# Altium PCB Main_PCB.PcbDoc (part 1 of 13) (continued)
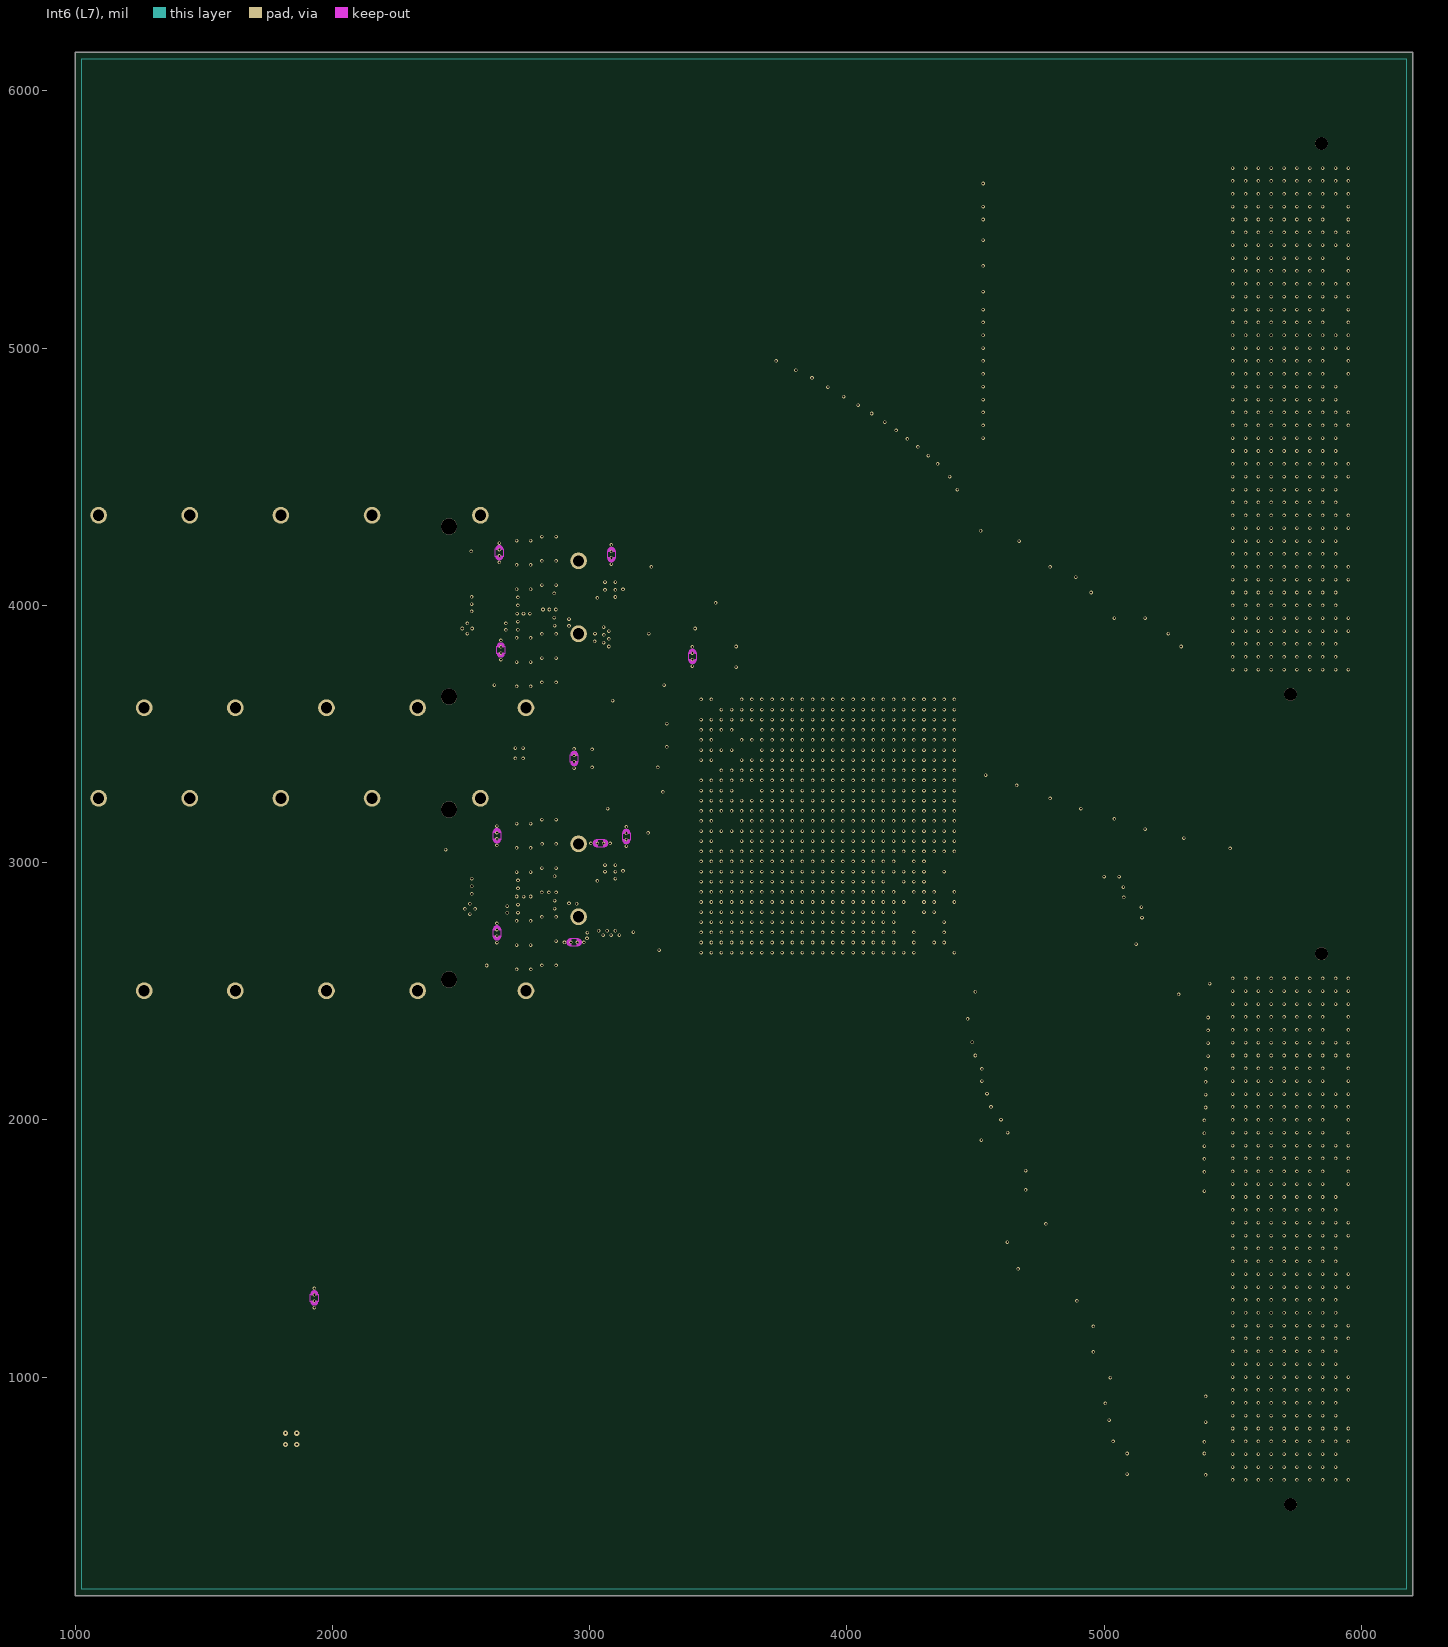
[diagram p7: Int6 (L7)]
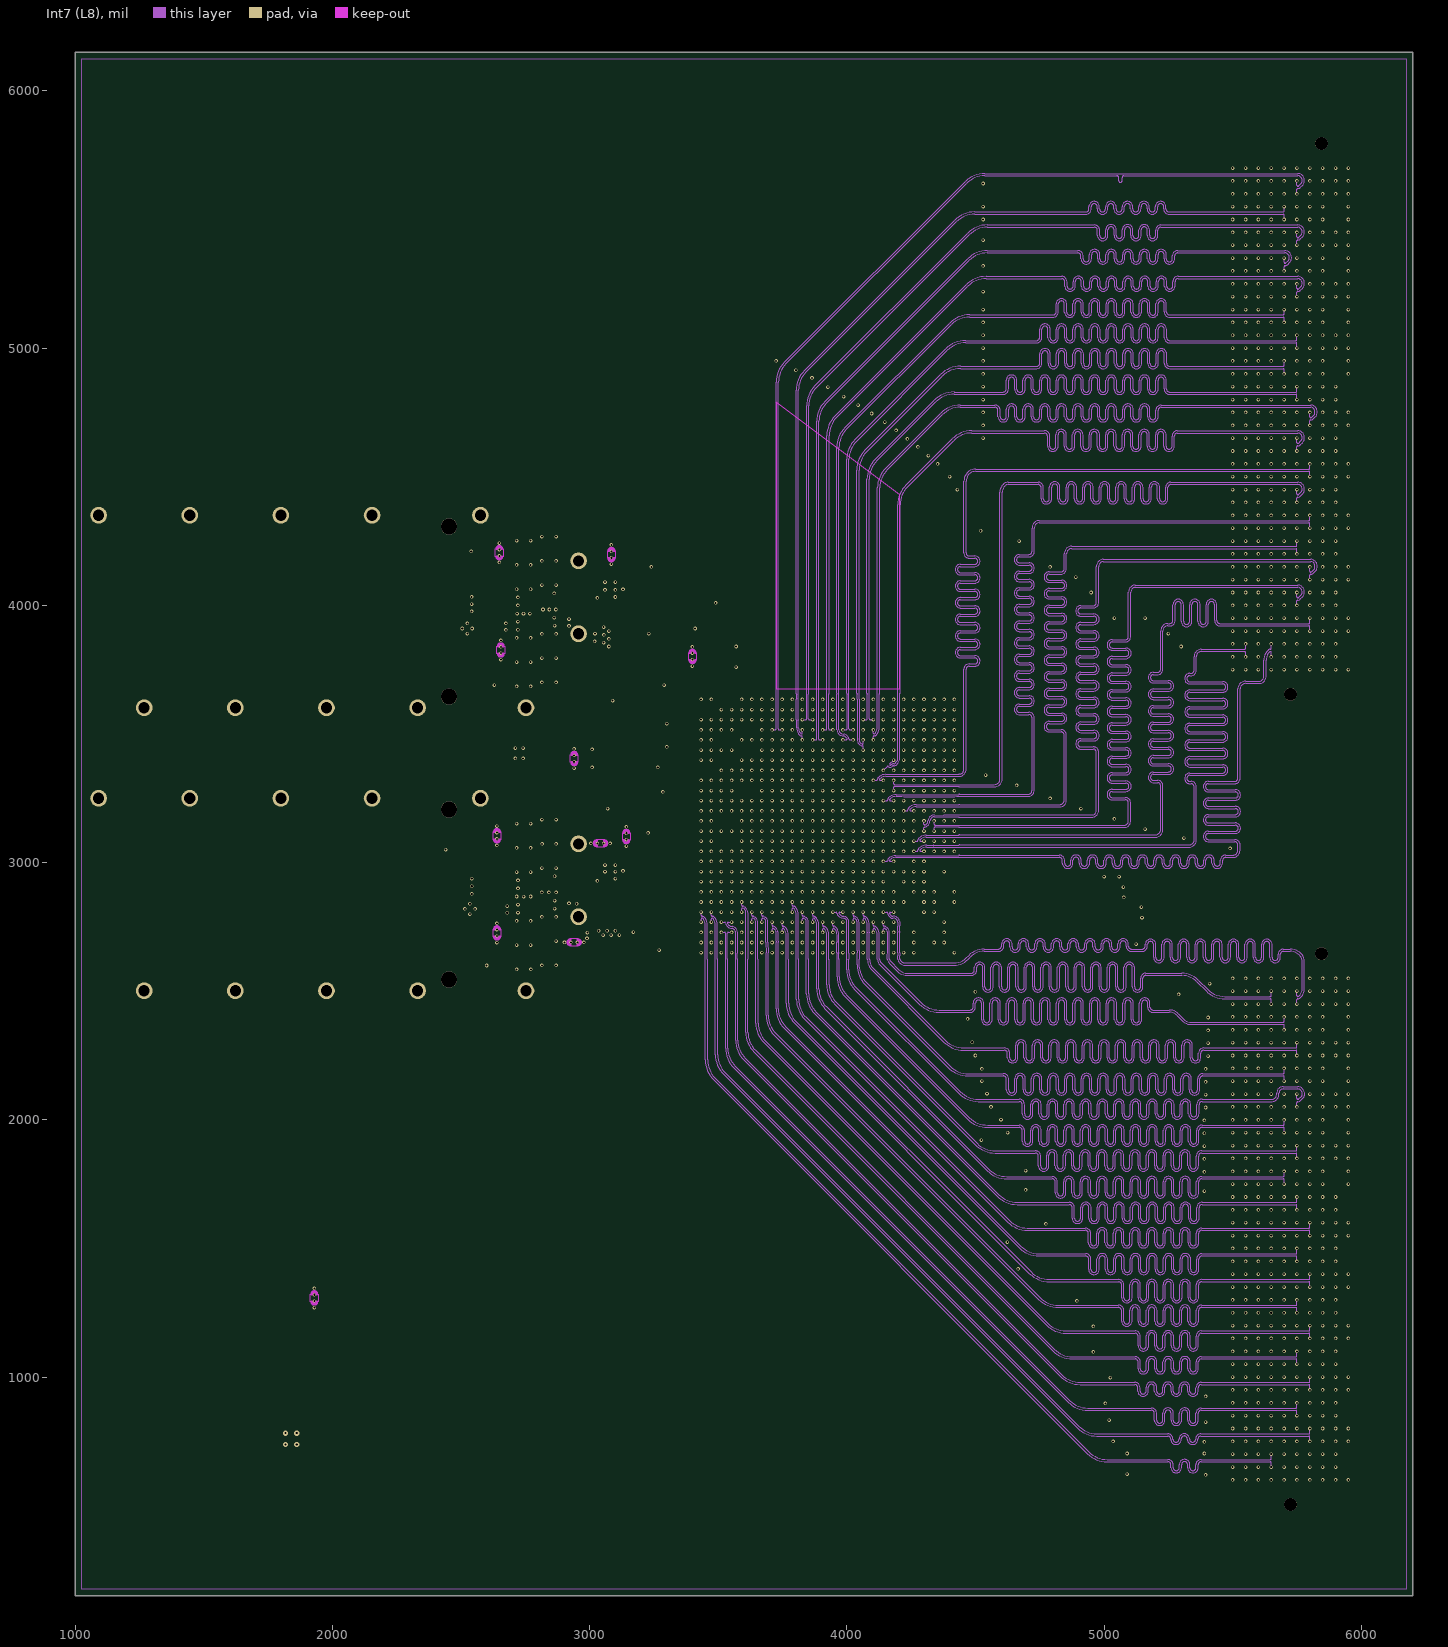
[diagram p8: Int7 (L8)]
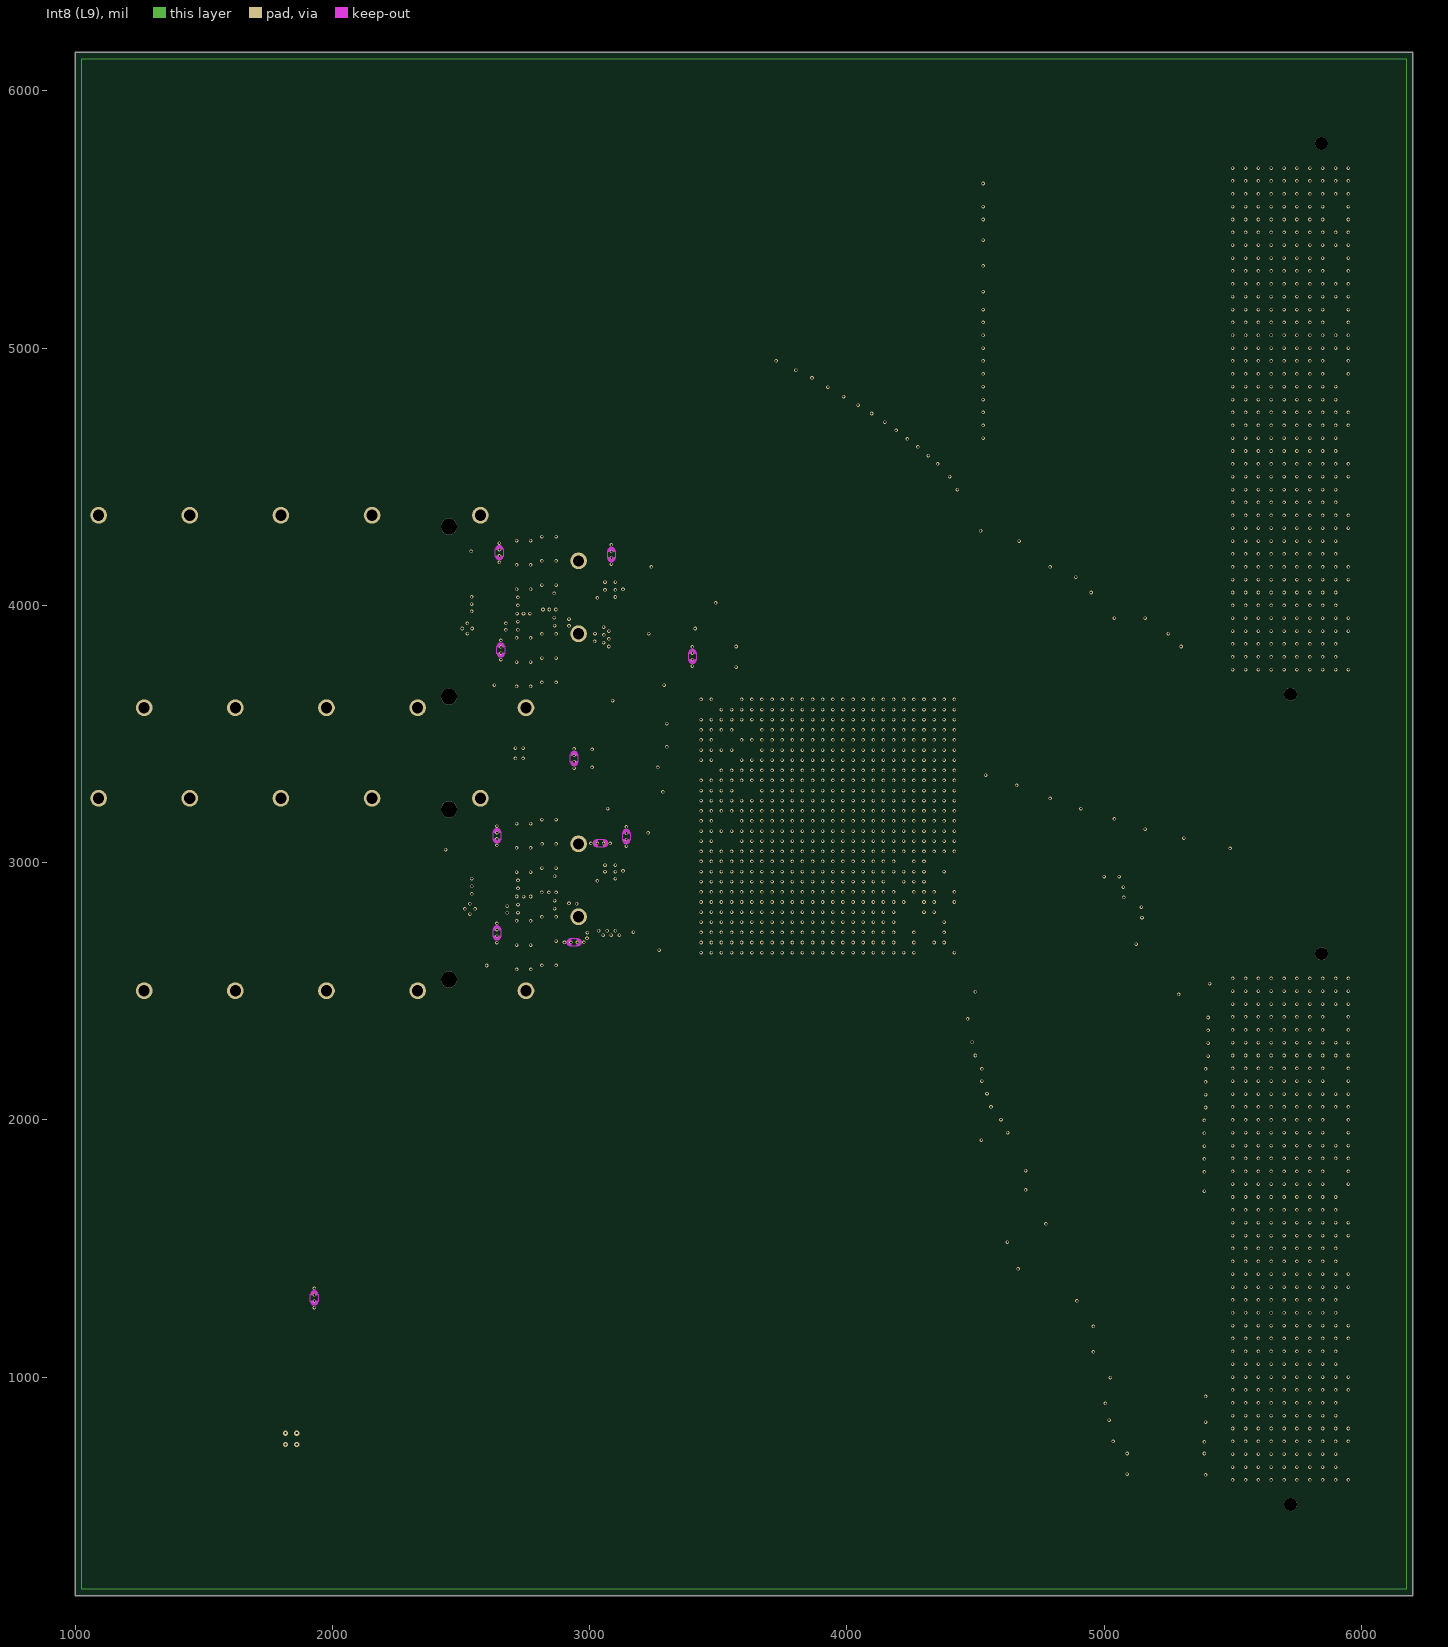
[diagram p9: Int8 (L9)]
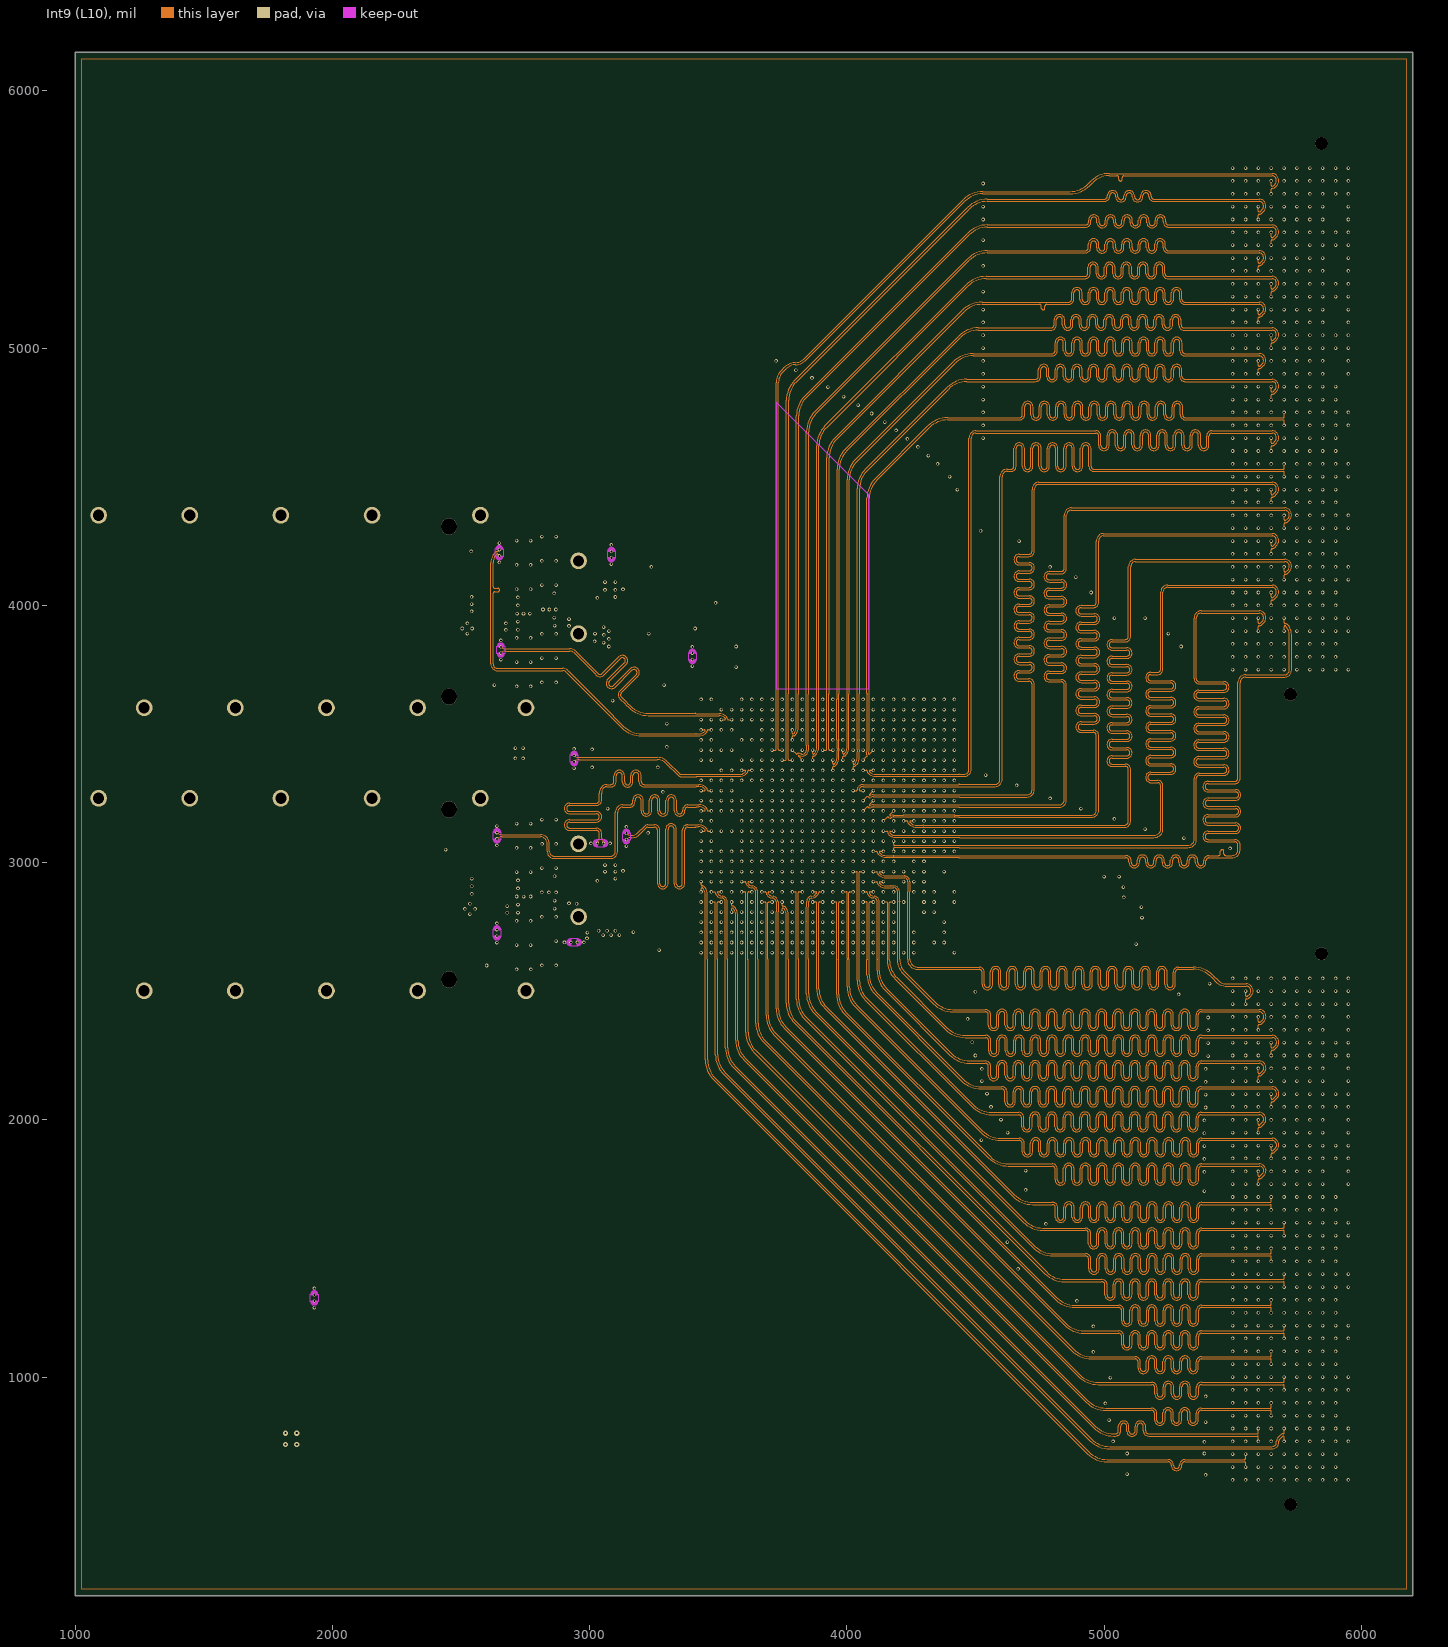
[diagram p10: Int9 (L10)]
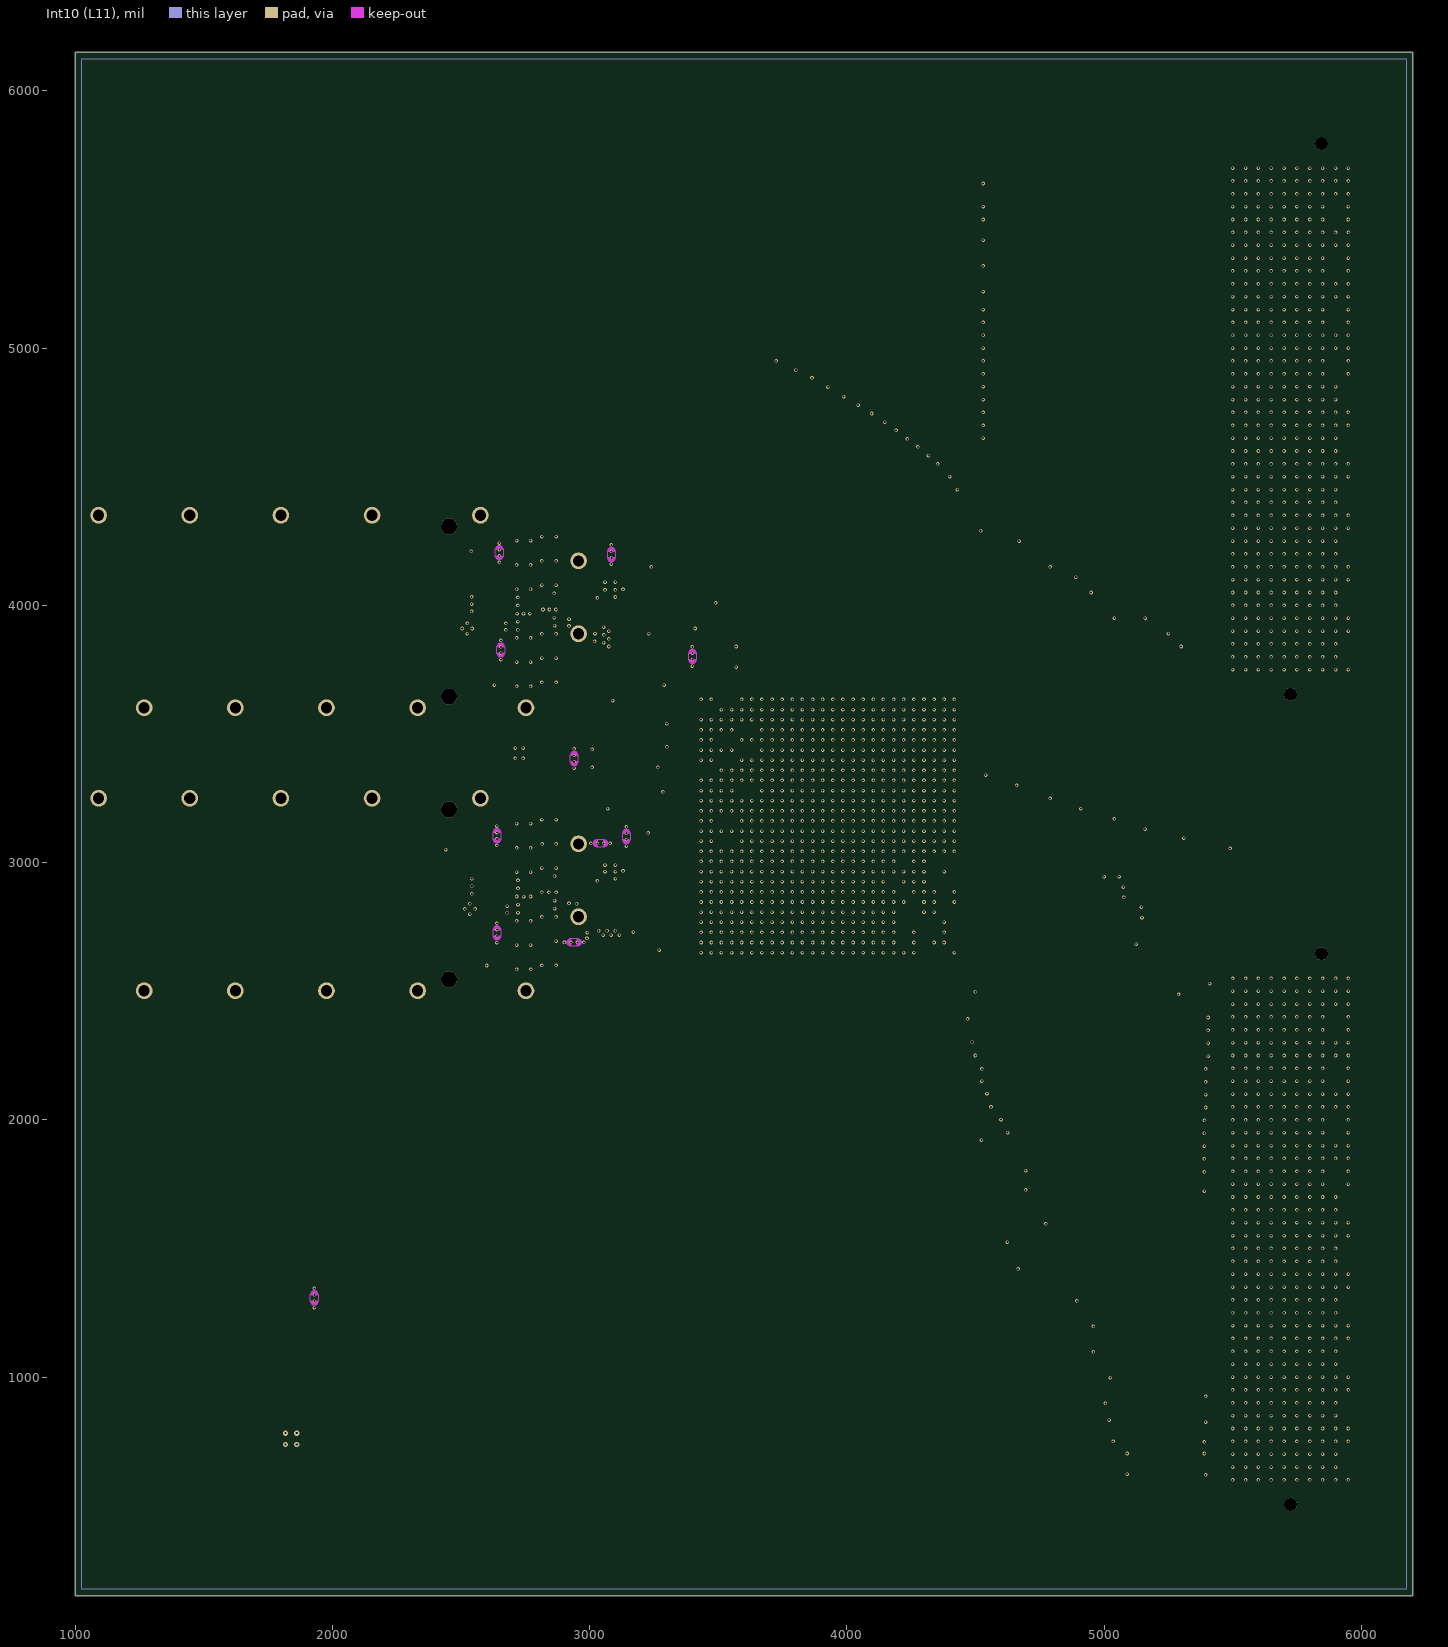
[diagram p11: Int10 (L11)]

## Layer stack, top to bottom
Top Solder: solder mask 0.492, SM-001, Dk 3.8
Top (L1): signal copper 1.38
Prepreg 1: prepreg 4.7, 2116 RC57%, Dk 4.25
Int1 (l2): signal copper 0.6
Core 1: core 11.81, 0.30mm H/HOZ, Dk 4.56
Int2 (L3): signal copper 0.6
Prepreg 2: prepreg 4.4, 2116 RC57%, Dk 4.25
Int3 (L4): signal copper 0.6
Core 2: core 11.81, 0.30mm H/HOZ, Dk 4.56
Int4 (L5): signal copper 0.6
Prepreg 3: prepreg 4.4, 2116 RC57%, Dk 4.25
Int5 (L6): signal copper 0.6
Core 3: core 11.81, 0.30mm H/HOZ, Dk 4.56
Int6 (L7): signal copper 0.6
Prepreg 4: prepreg 4.4, 2116 RC57%, Dk 4.25
Int7 (L8): signal copper 0.6
Core 4: core 11.81, 0.30mm H/HOZ, Dk 4.56
Int8 (L9): signal copper 0.6
Prepreg 5: prepreg 4.4, 2116 RC57%, Dk 4.25
Int9 (L10): signal copper 0.6
Core 5: core 11.81, 0.30mm H/HOZ, Dk 4.56
Int10 (L11): signal copper 0.6
Prepreg 6: prepreg 4.7, 2116 RC57%, Dk 4.25
Bot (L12): signal copper 1.38
Board Layer Stack Bottom Solder: solder mask 0.492, SM-001, Dk 3.8

## Board outline
1000,150 6200,150 6200,6150 1000,6150

## Design rules (kind name [scope] priority, off if disabled: settings)
Clearance Keepout_clearance [IsKeepOut] p1: gap=0 ignorepadtopadclearanceinfootprint=FALSE
Clearance Clearance_1 [(ExistsOnLayer('Int1 (l2)') Or ExistsOnLayer('Int2 (L3)') Or ExistsOnLayer('Int3 (L4)') Or ExistsOnLayer('Int4 (L5)') Or ExistsOnLayer('Int5 (L6)') Or ExistsOnLayer('Int6 (L7)') Or ExistsOnLayer('Int7 (L8)') Or ExistsOnLayer('Int8 (L9)') Or ExistsOnLayer('Int9 (L10)') Or ExistsOnLayer('Int10 (L11)')) vs (ExistsOnLayer('Int1 (l2)') Or ExistsOnLayer('Int2 (L3)') Or ExistsOnLayer('Int3 (L4)') Or ExistsOnLayer('Int4 (L5)') Or ExistsOnLayer('Int5 (L6)') Or ExistsOnLayer('Int6 (L7)') Or ExistsOnLayer('Int7 (L8)') Or ExistsOnLayer('Int8 (L9)') Or ExistsOnLayer('Int9 (L10)') Or ExistsOnLayer('Int10 (L11)'))] p2: gap=10 ignorepadtopadclearanceinfootprint=FALSE except(3.5: Arc-Arc Arc-Track Arc-SMDPad Arc-Via Arc-Text Track-Track Track-SMDPad Track-Via Track-Text SMDPad-SMDPad SMDPad-Text Via-Text Text-Text; 4: SMDPad-Via; 5: Via-Via; 8: SMDPad-Fill SMDPad-Poly SMDPad-Region Via-Fill Via-Poly Via-Region) sourcerule=51 cellrowname=All cellrowtype=0 cellcolname=All cellcoltype=0 innerlayers=TRUE
Clearance Clearance_2 [(ExistsOnLayer('Top (L1)') Or ExistsOnLayer('Bot (L12)')) vs (ExistsOnLayer('Top (L1)') Or ExistsOnLayer('Bot (L12)'))] p3: gap=10 ignorepadtopadclearanceinfootprint=FALSE except(3.5: Arc-Arc Arc-Track Arc-SMDPad Arc-Via Arc-Text Track-Track Track-SMDPad Track-Via Track-Text SMDPad-SMDPad SMDPad-Text Via-Text Text-Text; 4: SMDPad-Via; 5: Via-Via; 8: SMDPad-Fill SMDPad-Poly SMDPad-Region Via-Fill Via-Poly Via-Region) sourcerule=51 cellrowname=All cellrowtype=0 cellcolname=All cellcoltype=0 outerlayers=TRUE
Clearance [All] p4: gap=10 ignorepadtopadclearanceinfootprint=FALSE ismatrix=TRUE
DiffPairsRouting DifferentialPairsRouting_1 [InDifferentialPairClass('LVDS_1V8')] p1: maxlimit=10 minlimit=4 mostfreqgap=10 toplayer_maxgap=4.05 toplayer_prefgap=4.05 toplayer_minwidth=3.5 toplayer_maxwidth=3.5 toplayer_prefwidth=3.5 midlayer1_minwidth=3.5 midlayer1_maxwidth=15 midlayer1_prefwidth=15 midlayer2_minwidth=3.5 midlayer2_maxwidth=15 midlayer2_prefwidth=15 midlayer3_minwidth=3.5 midlayer3_maxwidth=15 midlayer3_prefwidth=15 midlayer4_maxgap=5.3 midlayer4_prefgap=5.3 midlayer4_minwidth=3.5 midlayer4_maxwidth=3.5 midlayer4_prefwidth=3.5 midlayer5_minwidth=3.5 midlayer5_maxwidth=15 midlayer5_prefwidth=15 midlayer6_minwidth=3.5 midlayer6_maxwidth=15 midlayer6_prefwidth=15 midlayer7_maxgap=5.3 midlayer7_prefgap=5.3 midlayer7_minwidth=3.5 midlayer7_maxwidth=3.5 midlayer7_prefwidth=3.5 midlayer8_minwidth=3.5 midlayer8_maxwidth=15 midlayer8_prefwidth=15 midlayer9_maxgap=5.3 midlayer9_prefgap=5.3 midlayer9_minwidth=3.5 midlayer9_maxwidth=3.5 midlayer9_prefwidth=3.5 midlayer10_minwidth=3.5 midlayer10_maxwidth=15 midlayer10_prefwidth=15 bottomlayer_maxgap=4.05 bottomlayer_prefgap=4.05 bottomlayer_minwidth=3.5 bottomlayer_maxwidth=3.5 bottomlayer_prefwidth=3.5 maxuncoupledlength=50
DiffPairsRouting DifferentialPairsRouting_3 [InDifferentialPairClass('HPCC_B')] p2: maxlimit=10 minlimit=4 mostfreqgap=10 toplayer_maxgap=4.05 toplayer_prefgap=4.05 toplayer_minwidth=3.5 toplayer_maxwidth=3.5 toplayer_prefwidth=3.5 midlayer1_minwidth=3.5 midlayer1_maxwidth=15 midlayer1_prefwidth=15 midlayer2_minwidth=3.5 midlayer2_maxwidth=15 midlayer2_prefwidth=15 midlayer3_minwidth=3.5 midlayer3_maxwidth=15 midlayer3_prefwidth=15 midlayer4_maxgap=5.3 midlayer4_prefgap=5.3 midlayer4_minwidth=3.5 midlayer4_maxwidth=3.5 midlayer4_prefwidth=3.5 midlayer5_minwidth=3.5 midlayer5_maxwidth=15 midlayer5_prefwidth=15 midlayer6_minwidth=3.5 midlayer6_maxwidth=15 midlayer6_prefwidth=15 midlayer7_maxgap=5.3 midlayer7_prefgap=5.3 midlayer7_minwidth=3.5 midlayer7_maxwidth=3.5 midlayer7_prefwidth=3.5 midlayer8_minwidth=3.5 midlayer8_maxwidth=15 midlayer8_prefwidth=15 midlayer9_maxgap=5.3 midlayer9_prefgap=5.3 midlayer9_minwidth=3.5 midlayer9_maxwidth=3.5 midlayer9_prefwidth=3.5 midlayer10_minwidth=3.5 midlayer10_maxwidth=15 midlayer10_prefwidth=15 bottomlayer_maxgap=4.05 bottomlayer_prefgap=4.05 bottomlayer_minwidth=3.5 bottomlayer_maxwidth=3.5 bottomlayer_prefwidth=3.5 maxuncoupledlength=50
DiffPairsRouting DifferentialPairsRouting_4 [InDifferentialPairClass('QSFP_A')] p3: maxlimit=10 minlimit=4 mostfreqgap=10 toplayer_maxgap=4.05 toplayer_prefgap=4.05 toplayer_minwidth=3.5 toplayer_maxwidth=3.5 toplayer_prefwidth=3.5 midlayer1_minwidth=3.5 midlayer1_maxwidth=15 midlayer1_prefwidth=15 midlayer2_minwidth=3.5 midlayer2_maxwidth=15 midlayer2_prefwidth=15 midlayer3_minwidth=3.5 midlayer3_maxwidth=15 midlayer3_prefwidth=15 midlayer4_maxgap=5.3 midlayer4_prefgap=5.3 midlayer4_minwidth=3.5 midlayer4_maxwidth=3.5 midlayer4_prefwidth=3.5 midlayer5_minwidth=3.5 midlayer5_maxwidth=15 midlayer5_prefwidth=15 midlayer6_minwidth=3.5 midlayer6_maxwidth=15 midlayer6_prefwidth=15 midlayer7_maxgap=5.3 midlayer7_prefgap=5.3 midlayer7_minwidth=3.5 midlayer7_maxwidth=3.5 midlayer7_prefwidth=3.5 midlayer8_minwidth=3.5 midlayer8_maxwidth=15 midlayer8_prefwidth=15 midlayer9_maxgap=5.3 midlayer9_prefgap=5.3 midlayer9_minwidth=3.5 midlayer9_maxwidth=3.5 midlayer9_prefwidth=3.5 midlayer10_minwidth=3.5 midlayer10_maxwidth=15 midlayer10_prefwidth=15 bottomlayer_maxgap=4.05 bottomlayer_prefgap=4.05 bottomlayer_minwidth=3.5 bottomlayer_maxwidth=3.5 bottomlayer_prefwidth=3.5 maxuncoupledlength=50
DiffPairsRouting DifferentialPairsRouting_5 [InDifferentialPairClass('QSFP_B')] p4: maxlimit=10 minlimit=4 mostfreqgap=10 toplayer_maxgap=4.05 toplayer_prefgap=4.05 toplayer_minwidth=3.5 toplayer_maxwidth=3.5 toplayer_prefwidth=3.5 midlayer1_minwidth=3.5 midlayer1_maxwidth=15 midlayer1_prefwidth=15 midlayer2_minwidth=3.5 midlayer2_maxwidth=15 midlayer2_prefwidth=15 midlayer3_minwidth=3.5 midlayer3_maxwidth=15 midlayer3_prefwidth=15 midlayer4_maxgap=5.3 midlayer4_prefgap=5.3 midlayer4_minwidth=3.5 midlayer4_maxwidth=3.5 midlayer4_prefwidth=3.5 midlayer5_minwidth=3.5 midlayer5_maxwidth=15 midlayer5_prefwidth=15 midlayer6_minwidth=3.5 midlayer6_maxwidth=15 midlayer6_prefwidth=15 midlayer7_maxgap=5.3 midlayer7_prefgap=5.3 midlayer7_minwidth=3.5 midlayer7_maxwidth=3.5 midlayer7_prefwidth=3.5 midlayer8_minwidth=3.5 midlayer8_maxwidth=15 midlayer8_prefwidth=15 midlayer9_maxgap=5.3 midlayer9_prefgap=5.3 midlayer9_minwidth=3.5 midlayer9_maxwidth=3.5 midlayer9_prefwidth=3.5 midlayer10_minwidth=3.5 midlayer10_maxwidth=15 midlayer10_prefwidth=15 bottomlayer_maxgap=4.05 bottomlayer_prefgap=4.05 bottomlayer_minwidth=3.5 bottomlayer_maxwidth=3.5 bottomlayer_prefwidth=3.5 maxuncoupledlength=50
DiffPairsRouting DifferentialPairsRouting_2 [InDifferentialPairClass('All Differential Pairs')] p5: maxlimit=10 minlimit=4 mostfreqgap=10 toplayer_maxgap=4.05 toplayer_prefgap=4.05 toplayer_minwidth=3.5 toplayer_maxwidth=3.5 toplayer_prefwidth=3.5 midlayer1_minwidth=3.5 midlayer1_maxwidth=15 midlayer1_prefwidth=15 midlayer2_minwidth=3.5 midlayer2_maxwidth=15 midlayer2_prefwidth=15 midlayer3_minwidth=3.5 midlayer3_maxwidth=15 midlayer3_prefwidth=15 midlayer4_maxgap=5.3 midlayer4_prefgap=5.3 midlayer4_minwidth=3.5 midlayer4_maxwidth=3.5 midlayer4_prefwidth=3.5 midlayer5_minwidth=3.5 midlayer5_maxwidth=15 midlayer5_prefwidth=15 midlayer6_minwidth=3.5 midlayer6_maxwidth=15 midlayer6_prefwidth=15 midlayer7_maxgap=5.3 midlayer7_prefgap=5.3 midlayer7_minwidth=3.5 midlayer7_maxwidth=3.5 midlayer7_prefwidth=3.5 midlayer8_minwidth=3.5 midlayer8_maxwidth=15 midlayer8_prefwidth=15 midlayer9_maxgap=5.3 midlayer9_prefgap=5.3 midlayer9_minwidth=3.5 midlayer9_maxwidth=3.5 midlayer9_prefwidth=3.5 midlayer10_minwidth=3.5 midlayer10_maxwidth=15 midlayer10_prefwidth=15 bottomlayer_maxgap=4.05 bottomlayer_prefgap=4.05 bottomlayer_minwidth=3.5 bottomlayer_maxwidth=3.5 bottomlayer_prefwidth=3.5 maxuncoupledlength=50
DiffPairsRouting DP100_DiffPairsRouting [All] p6: maxlimit=10 minlimit=3.5 mostfreqgap=10 toplayer_mingap=4.05 toplayer_maxgap=4.05 toplayer_prefgap=4.05 toplayer_minwidth=3.5 toplayer_maxwidth=3.5 toplayer_prefwidth=3.5 midlayer4_mingap=5.3 midlayer4_maxgap=5.3 midlayer4_prefgap=5.3 midlayer4_minwidth=3.5 midlayer4_maxwidth=3.5 midlayer4_prefwidth=3.5 midlayer7_mingap=5.3 midlayer7_maxgap=5.3 midlayer7_prefgap=5.3 midlayer7_minwidth=3.5 midlayer7_maxwidth=3.5 midlayer7_prefwidth=3.5 midlayer9_mingap=5.3 midlayer9_maxgap=5.3 midlayer9_prefgap=5.3 midlayer9_minwidth=3.5 midlayer9_maxwidth=3.5 midlayer9_prefwidth=3.5 bottomlayer_mingap=4.05 bottomlayer_maxgap=4.05 bottomlayer_prefgap=4.05 bottomlayer_minwidth=3.5 bottomlayer_maxwidth=3.5 bottomlayer_prefwidth=3.5 impedanceprofiledriven=TRUE impedanceprofileid={ECC35B59-11B0-45AB-BA56-FA4EE2233616} impedanceprofilevalue=100.000000 maxuncoupledlength=50
FanoutControl Fanout_BGA [IsBGA] p1: bgadir=Out bgaviamode=Centered fanoutstyle=UnderPads fanoutdirection=Alternating viagrid=1 // Fanout_BGA (Default Rule)
FanoutControl Fanout_Default [All] p5: bgadir=Out bgaviamode=Centered fanoutstyle=UnderPads fanoutdirection=Alternating viagrid=1 // Fanout_Default (Default Rule)
Length Length_HPCC_B [InDifferentialPairClass('HPCC_B')] p1: maxlimit=0 minlimit=0 usedelayunits=TRUE mindelay=705.000000 maxdelay=745.000000
Length Length_HPCC_A [InDifferentialPairClass('HPCC_A')] p2: maxlimit=0 minlimit=0
Length Length_QSFP [InDifferentialPairClass('QSFP_B') + InDifferentialPairClass('QSFP_A')] p3: maxlimit=0 minlimit=0 usedelayunits=TRUE mindelay=310.000000 maxdelay=320.000000
PolygonConnect NoThmRelief [InNet('QSFP_A_VCCTX') + InNet('QSFP_A_VCCRX') + InNet('QSFP_A_VCCA1') + InNet('QSFP_B_VCCTX') + InNet('QSFP_B_VCCRX') + InNet('QSFP_B_VCCA1')] p1: connectstyle=Direct reliefconductorwidth=10 reliefentries=2 polygonreliefangle="45 Angle" airgapwidth=10
PolygonConnect [All] p2: connectstyle=Relief reliefconductorwidth=10 reliefentries=4 polygonreliefangle="90 Angle" airgapwidth=10